# Altium PCB Array.PcbDoc
Units mm, origin at the board's own origin, x right, y up, seen from the top; angles counter-clockwise.
Board outline 67 x 89 mm, 2 copper layers (Top Layer, Bottom Layer); 82 components, 81 nets, 314 pads, 516 vias.
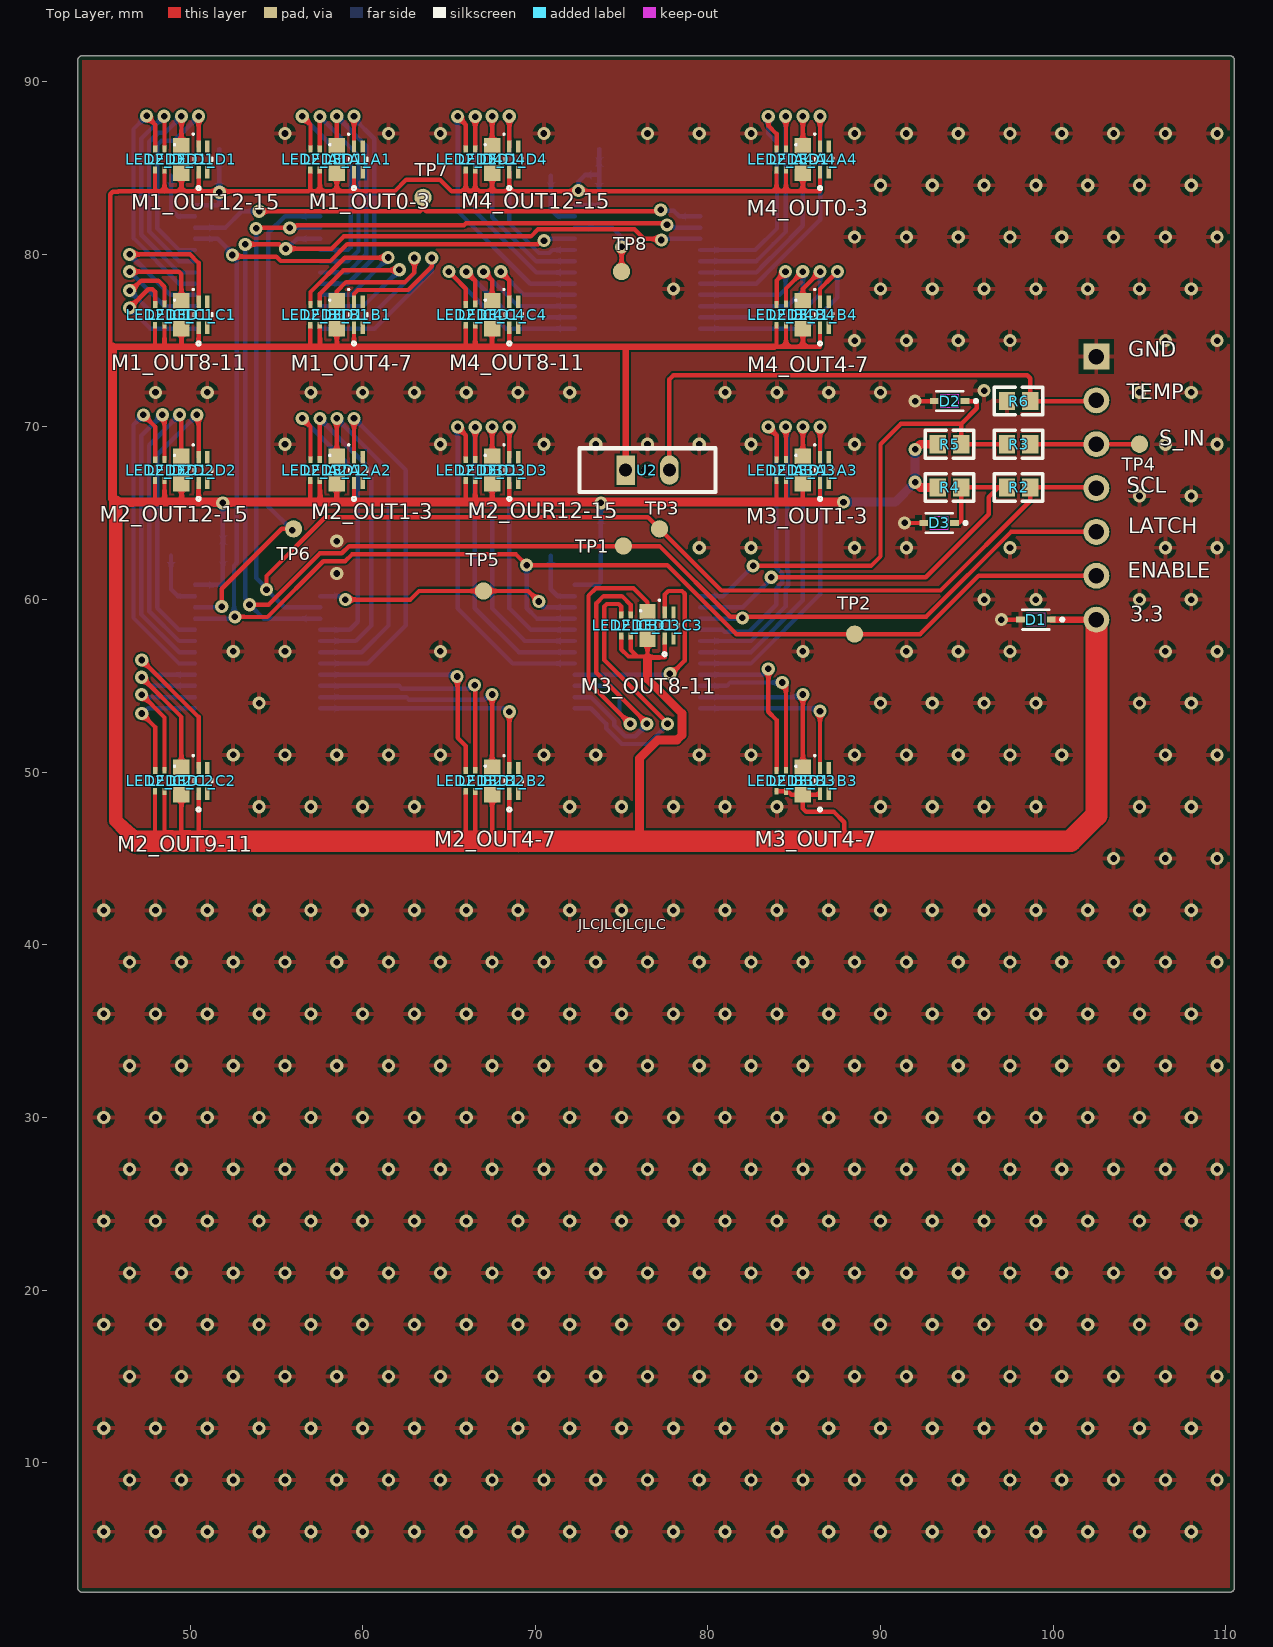
[diagram p0: Top Layer view]
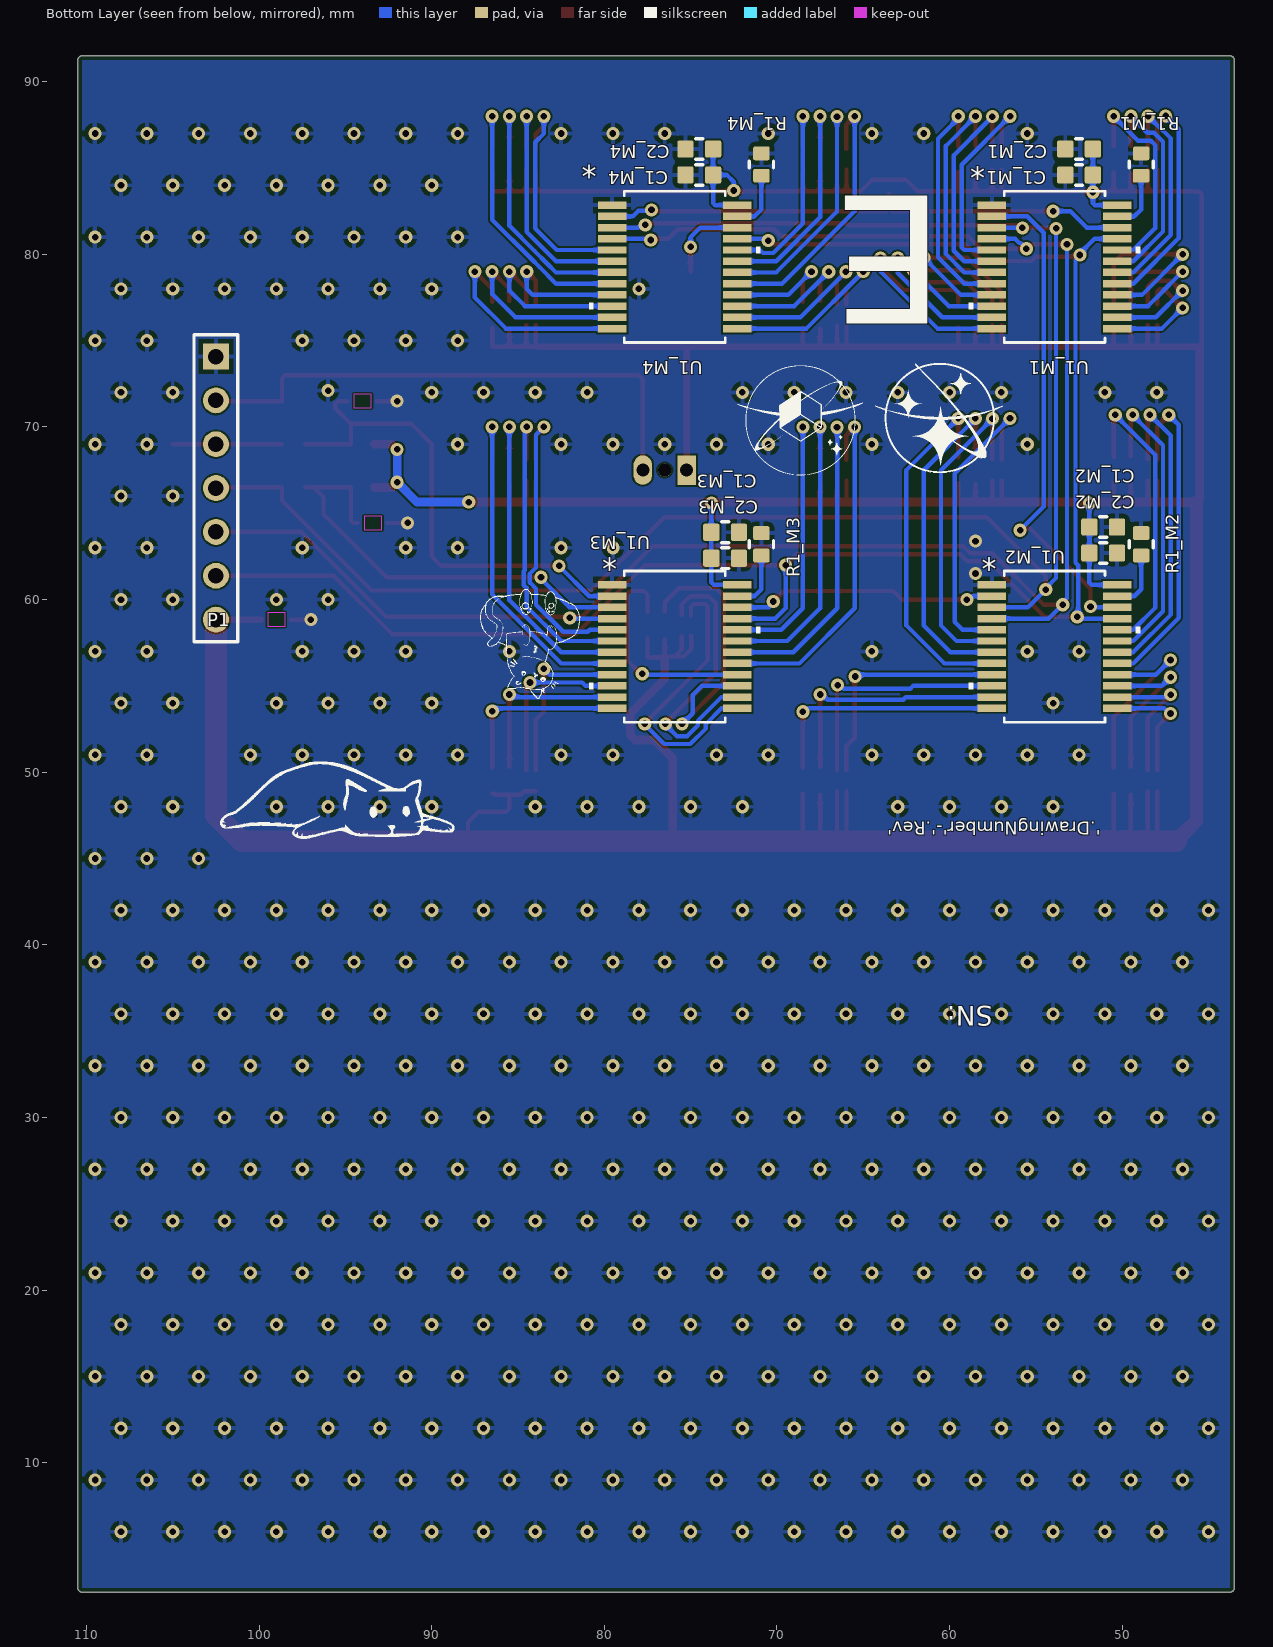
[diagram p1: Bottom Layer view, seen from below]
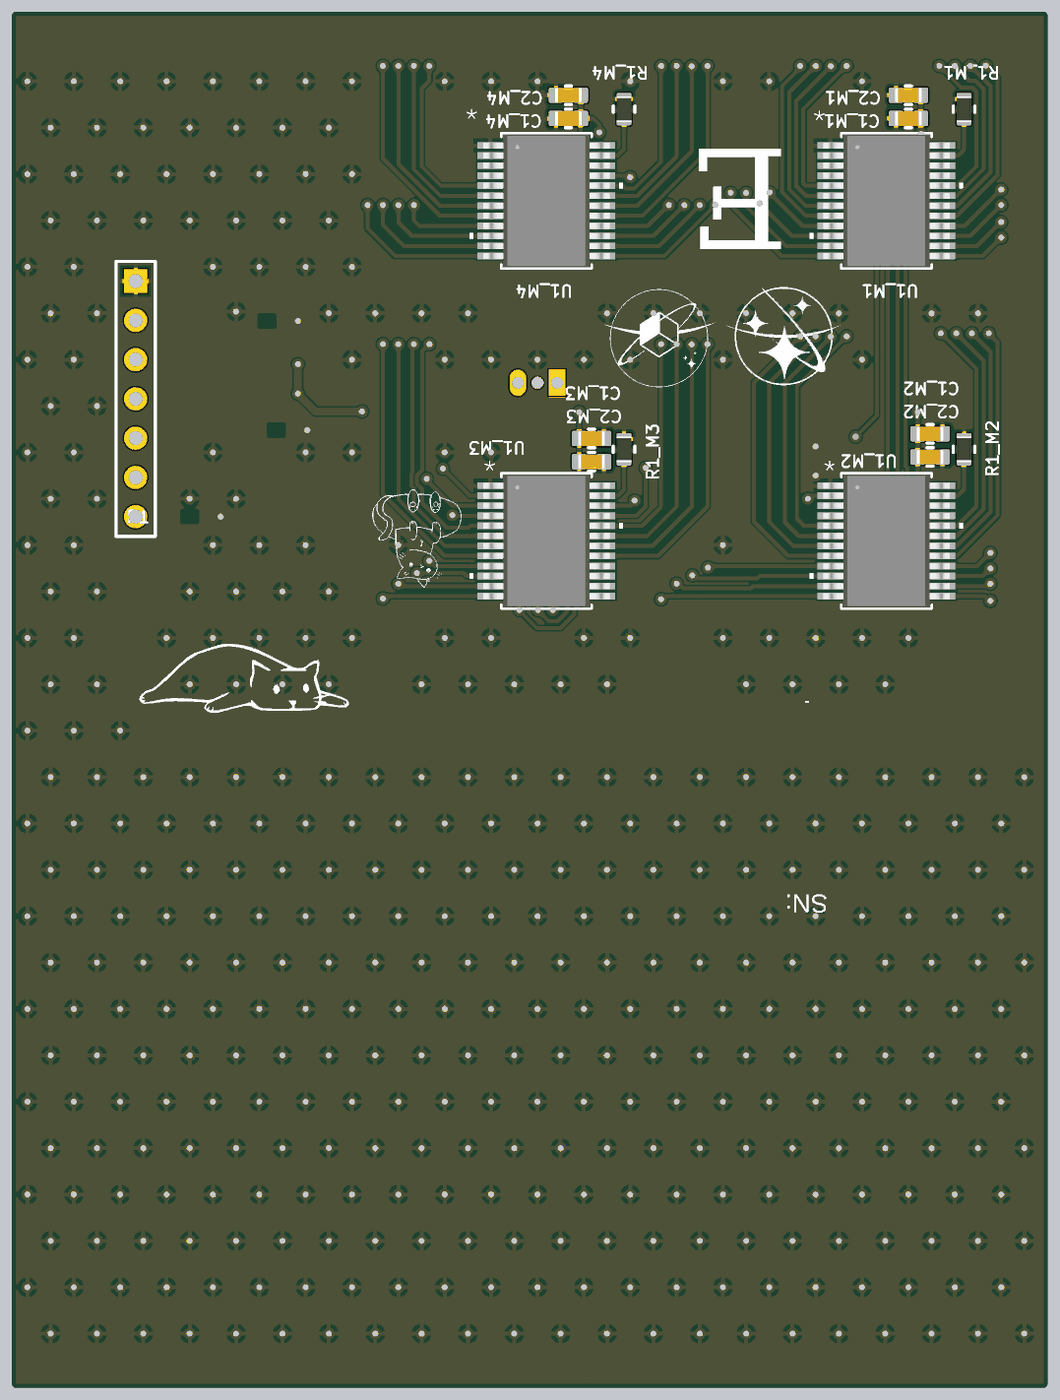
[diagram p2: 3D render of the assembled board from below, using the file's embedded part models]

## Layer stack, top to bottom
Top Solder: solder mask 0.0102, Solder Resist, Dk 3.5
Top Layer: signal copper 0.0356
Dielectric 1: dielectric 0.32, FR-4, Dk 4.8
Bottom Layer: signal copper 0.0356
Bottom Solder: solder mask 0.0102, Solder Resist, Dk 3.5

## Board outline
43.5,2.754 43.5,91.246 cw(c43.754,91.246) 43.754,91.5 110.246,91.5 cw(c110.246,91.246) 110.5,91.246 110.5,2.754 cw(c110.246,2.754) 110.246,2.5 43.754,2.5 cw(c43.754,2.754)

## Design rules (kind name [scope] priority, off if disabled: settings)
BoardOutlineClearance [All] p1: gap=0.254 ignorepadtopadclearanceinfootprint=FALSE except(0: Arc-SplitContinuation Track-SplitContinuation SMDPad-SplitContinuation THPad-SplitContinuation Via-SplitContinuation Fill-SplitContinuation Poly-SplitContinuation Region-SplitContinuation Text-SplitContinuation)
Clearance "Stitching GND" [IsStitchingVia and InNet('GND') vs (IsVia and (Not IsStitchingVia)) Or IsPad] p1: gap=0.3 ignorepadtopadclearanceinfootprint=FALSE
Clearance [All] p2: gap=0.1 ignorepadtopadclearanceinfootprint=TRUE
FabricationTestpoint [All] p1: side=3 testpointundercomponent=TRUE minsize=1.016 maxsize=2.54 preferedsize=1.524 minholesize=0 maxholesize=1.016 preferedholesize=0.813 testpointgrid=0.025 allowsidetop=TRUE allowsidebottom=TRUE usegrid=TRUE gridtolerance=0 compbodyclearance=0.152 boardedgeclearance=0.254
PolygonConnect [All] p1: connectstyle=Relief reliefconductorwidth=0.254 reliefentries=4 polygonreliefangle="90 Angle" airgapwidth=0.254
RoomDefinition C2 [InComponentClass('C2')] p1: confinementstyle=ConfineIn formatcopy=TRUE lockcomponents=FALSE outline 47,47 52,47 52,52 47,52
RoomDefinition D2 [InComponentClass('D2')] p2: confinementstyle=ConfineIn formatcopy=TRUE lockcomponents=FALSE outline 47,65 52,65 52,70 47,70
RoomDefinition A2 [InComponentClass('A2')] p3: confinementstyle=ConfineIn formatcopy=TRUE lockcomponents=FALSE outline 56,65 61,65 61,70 56,70
RoomDefinition C1 [InComponentClass('C1')] p4: confinementstyle=ConfineIn formatcopy=TRUE lockcomponents=FALSE outline 47,74 52,74 52,79 47,79
RoomDefinition D1 [InComponentClass('D1')] p5: confinementstyle=ConfineIn formatcopy=TRUE lockcomponents=FALSE outline 47,83 52,83 52,88 47,88
RoomDefinition B1 [InComponentClass('B1')] p6: confinementstyle=ConfineIn formatcopy=TRUE lockcomponents=FALSE outline 56,74 61,74 61,79 56,79
RoomDefinition A1 [InComponentClass('A1')] p7: confinementstyle=ConfineIn formatcopy=TRUE lockcomponents=FALSE outline 56,83 61,83 61,88 56,88
RoomDefinition D4 [InComponentClass('D4')] p8: confinementstyle=ConfineIn formatcopy=TRUE lockcomponents=FALSE outline 65,83 70,83 70,88 65,88
RoomDefinition A4 [InComponentClass('A4')] p9: confinementstyle=ConfineIn formatcopy=TRUE lockcomponents=FALSE outline 83,83 88,83 88,88 83,88
RoomDefinition B2 [InComponentClass('B2')] p10: confinementstyle=ConfineIn formatcopy=TRUE lockcomponents=FALSE outline 65,47 70,47 70,52 65,52
RoomDefinition C3 [InComponentClass('C3')] p11: confinementstyle=ConfineIn formatcopy=TRUE lockcomponents=FALSE outline 74,56 79,56 79,61 74,61
RoomDefinition B3 [InComponentClass('B3')] p12: confinementstyle=ConfineIn formatcopy=TRUE lockcomponents=FALSE outline 83,47 88,47 88,52 83,52
RoomDefinition D3 [InComponentClass('D3')] p13: confinementstyle=ConfineIn formatcopy=TRUE lockcomponents=FALSE outline 65,65 70,65 70,70 65,70
RoomDefinition C4 [InComponentClass('C4')] p14: confinementstyle=ConfineIn formatcopy=TRUE lockcomponents=FALSE outline 65,74 70,74 70,79 65,79
RoomDefinition A3 [InComponentClass('A3')] p15: confinementstyle=ConfineIn formatcopy=TRUE lockcomponents=FALSE outline 83,65 88,65 88,70 83,70
RoomDefinition B4 [InComponentClass('B4')] p16: confinementstyle=ConfineIn formatcopy=TRUE lockcomponents=FALSE outline 83,74 88,74 88,79 83,79
RoomDefinition M1 [InComponentClass('M1')] p17: confinementstyle=ConfineIn formatcopy=TRUE lockcomponents=FALSE outline 60,74 48,74 48,88 60,88
RoomDefinition M2 [InComponentClass('M2')] p18: confinementstyle=ConfineIn formatcopy=TRUE lockcomponents=FALSE outline 60,52 48,52 48,66 60,66
RoomDefinition M3 [InComponentClass('M3')] p19: confinementstyle=ConfineIn formatcopy=TRUE lockcomponents=FALSE outline 82,52 70,52 70,66 82,66
RoomDefinition M4 [InComponentClass('M4')] p20: confinementstyle=ConfineIn formatcopy=TRUE lockcomponents=FALSE outline 82,74 70,74 70,88 82,88
RoutingVias [All] p1: holewidth=0.381 width=0.762 viastyle="Through Hole" minholewidth=0.152 minwidth=0.406 maxholewidth=2.54 maxwidth=1.27
SMDEntry [All] p1: side=TRUE corner=TRUE anyangle=FALSE
SMDToCorner [All] p1: distance=0
SolderMaskExpansion [All] p1: expansion=0.102 istentingtop=FALSE
UnRoutedNet [All] p1: checkbadconnections=TRUE
Width [All] p1: maxlimit=2.54 minlimit=0.152 preferedwidth=0.254
28 further rules are at their usual default settings.

## Classes and differential pairs
component class tEMPY_BOI: R6 U2
channel class Main: M1 M2 M3 M4
channel class LEDBlock: A1 A2 A3 A4 B1 B2 B3 B4 C1 C2 C3 C4 D1 D2 D3 D4
channel class LED: D11 D12 D13 D14
component class M4: C1_M4 C2_M4 R1_M4 U1_M4
component class M3: C1_M3 C2_M3 R1_M3 U1_M3
component class M2: C1_M2 C2_M2 R1_M2 U1_M2
component class M1: C1_M1 C2_M1 R1_M1 U1_M1
component class Interface: D1 D2 D3 P1 R2 R3 R4 R5 TP1 TP2 TP3 TP4 TP5 TP6 TP7 TP8
component class D4: LED1_D4 LED2_D4 LED3_D4
component class D3: LED1_D3 LED2_D3 LED3_D3
component class D2: LED1_D2 LED2_D2 LED3_D2
component class D1: LED1_D1 LED2_D1 LED3_D1
component class C4: LED1_C4 LED2_C4 LED3_C4
component class C3: LED1_C3 LED2_C3 LED3_C3
component class C2: LED1_C2 LED2_C2 LED3_C2
component class C1: LED1_C1 LED2_C1 LED3_C1
component class B4: LED1_B4 LED2_B4 LED3_B4
component class B3: LED1_B3 LED2_B3 LED3_B3
component class B2: LED1_B2 LED2_B2 LED3_B2
component class B1: LED1_B1 LED2_B1 LED3_B1
component class A4: LED1_A4 LED2_A4 LED3_A4
component class A3: LED1_A3 LED2_A3 LED3_A3
component class A2: LED1_A2 LED2_A2 LED3_A2
component class A1: LED1_A1 LED2_A1 LED3_A1

## Components (designator, comment, footprint, x,y, rotation, side; value= is the part's Value field where it differs from the comment)
C1_M1 "Capacitor" C0603B 52.5,84.6 r0 bottom value=1u (schematic designator C1)
C1_M2 "Capacitor" C0603B 51.1,64.2 r180 bottom value=1u (schematic designator C1)
C1_M3 "Capacitor" C0603B 73,63.9 r180 bottom value=1u (schematic designator C1)
C1_M4 "Capacitor" C0603B 74.5,84.6 r0 bottom value=1u (schematic designator C1)
C2_M1 "Capacitor" C0603B 52.5,86.1 r0 bottom value=0.1u (schematic designator C2)
C2_M2 "Capacitor" C0603B 51.1,62.7 r180 bottom value=0.1u (schematic designator C2)
C2_M3 "Capacitor" C0603B 73,62.4 r180 bottom value=0.1u (schematic designator C2)
C2_M4 "Capacitor" C0603B 74.5,86.1 r0 bottom value=0.1u (schematic designator C2)
D1 "STS521033B950" STS521033B950_COB 99,58.84 r180 top
D2 "STS521033B950" STS521033B950_COB 94,71.5 r180 top
D3 "STS521033B950" STS521033B950_COB 93.396,64.44 r180 top
LED1_A1 "APHB1608CGKSEKC" APHB1608CGKSEKC_KNB 59.75,85.5 r90 top locked (schematic designator LED1)
LED1_A2 "APHB1608CGKSEKC" APHB1608CGKSEKC_KNB 59.75,67.5 r90 top locked (schematic designator LED1)
LED1_A3 "APHB1608CGKSEKC" APHB1608CGKSEKC_KNB 86.75,67.5 r90 top locked (schematic designator LED1)
LED1_A4 "APHB1608CGKSEKC" APHB1608CGKSEKC_KNB 86.75,85.5 r90 top locked (schematic designator LED1)
LED1_B1 "APHB1608CGKSEKC" APHB1608CGKSEKC_KNB 59.75,76.5 r90 top locked (schematic designator LED1)
LED1_B2 "APHB1608CGKSEKC" APHB1608CGKSEKC_KNB 68.75,49.5 r90 top locked (schematic designator LED1)
LED1_B3 "APHB1608CGKSEKC" APHB1608CGKSEKC_KNB 86.75,49.5 r90 top locked (schematic designator LED1)
LED1_B4 "APHB1608CGKSEKC" APHB1608CGKSEKC_KNB 86.75,76.5 r90 top locked (schematic designator LED1)
LED1_C1 "APHB1608CGKSEKC" APHB1608CGKSEKC_KNB 50.75,76.5 r90 top locked (schematic designator LED1)
LED1_C2 "APHB1608CGKSEKC" APHB1608CGKSEKC_KNB 50.75,49.5 r90 top locked (schematic designator LED1)
LED1_C3 "APHB1608CGKSEKC" APHB1608CGKSEKC_KNB 77.75,58.5 r90 top locked (schematic designator LED1)
LED1_C4 "APHB1608CGKSEKC" APHB1608CGKSEKC_KNB 68.75,76.5 r90 top locked (schematic designator LED1)
LED1_D1 "APHB1608CGKSEKC" APHB1608CGKSEKC_KNB 50.75,85.5 r90 top locked (schematic designator LED1)
LED1_D2 "APHB1608CGKSEKC" APHB1608CGKSEKC_KNB 50.75,67.5 r90 top locked (schematic designator LED1)
LED1_D3 "APHB1608CGKSEKC" APHB1608CGKSEKC_KNB 68.75,67.5 r90 top locked (schematic designator LED1)
LED1_D4 "APHB1608CGKSEKC" APHB1608CGKSEKC_KNB 68.75,85.5 r90 top locked (schematic designator LED1)
LED2_A1 "QBLP601-RIB" DFN65P160X55-4N 57.25,85.5 r270 top locked (schematic designator LED2)
LED2_A2 "QBLP601-RIB" DFN65P160X55-4N 57.25,67.5 r270 top locked (schematic designator LED2)
LED2_A3 "QBLP601-RIB" DFN65P160X55-4N 84.25,67.5 r270 top locked (schematic designator LED2)
LED2_A4 "QBLP601-RIB" DFN65P160X55-4N 84.25,85.5 r270 top locked (schematic designator LED2)
LED2_B1 "QBLP601-RIB" DFN65P160X55-4N 57.25,76.5 r270 top locked (schematic designator LED2)
LED2_B2 "QBLP601-RIB" DFN65P160X55-4N 66.25,49.5 r270 top locked (schematic designator LED2)
LED2_B3 "QBLP601-RIB" DFN65P160X55-4N 84.25,49.5 r270 top locked (schematic designator LED2)
LED2_B4 "QBLP601-RIB" DFN65P160X55-4N 84.25,76.5 r270 top locked (schematic designator LED2)
LED2_C1 "QBLP601-RIB" DFN65P160X55-4N 48.25,76.5 r270 top locked (schematic designator LED2)
LED2_C2 "QBLP601-RIB" DFN65P160X55-4N 48.25,49.5 r270 top locked (schematic designator LED2)
LED2_C3 "QBLP601-RIB" DFN65P160X55-4N 75.25,58.5 r270 top locked (schematic designator LED2)
LED2_C4 "QBLP601-RIB" DFN65P160X55-4N 66.25,76.5 r270 top locked (schematic designator LED2)
LED2_D1 "QBLP601-RIB" DFN65P160X55-4N 48.25,85.5 r270 top locked (schematic designator LED2)
LED2_D2 "QBLP601-RIB" DFN65P160X55-4N 48.25,67.5 r270 top locked (schematic designator LED2)
LED2_D3 "QBLP601-RIB" DFN65P160X55-4N 66.25,67.5 r270 top locked (schematic designator LED2)
LED2_D4 "QBLP601-RIB" DFN65P160X55-4N 66.25,85.5 r270 top locked (schematic designator LED2)
LED3_A1 "B18W1IRP-A1C0001X4U1930" CAPCP1608X10N 58.5,85.5 r270 top locked (schematic designator LED3)
LED3_A2 "B18W1IRP-A1C0001X4U1930" CAPCP1608X10N 58.5,67.5 r270 top locked (schematic designator LED3)
LED3_A3 "B18W1IRP-A1C0001X4U1930" CAPCP1608X10N 85.5,67.5 r270 top locked (schematic designator LED3)
LED3_A4 "B18W1IRP-A1C0001X4U1930" CAPCP1608X10N 85.5,85.5 r270 top locked (schematic designator LED3)
LED3_B1 "B18W1IRP-A1C0001X4U1930" CAPCP1608X10N 58.5,76.5 r270 top locked (schematic designator LED3)
LED3_B2 "B18W1IRP-A1C0001X4U1930" CAPCP1608X10N 67.5,49.5 r270 top locked (schematic designator LED3)
LED3_B3 "B18W1IRP-A1C0001X4U1930" CAPCP1608X10N 85.5,49.5 r270 top locked (schematic designator LED3)
LED3_B4 "B18W1IRP-A1C0001X4U1930" CAPCP1608X10N 85.5,76.5 r270 top locked (schematic designator LED3)
LED3_C1 "B18W1IRP-A1C0001X4U1930" CAPCP1608X10N 49.5,76.5 r270 top locked (schematic designator LED3)
LED3_C2 "B18W1IRP-A1C0001X4U1930" CAPCP1608X10N 49.5,49.5 r270 top locked (schematic designator LED3)
LED3_C3 "B18W1IRP-A1C0001X4U1930" CAPCP1608X10N 76.5,58.5 r270 top locked (schematic designator LED3)
LED3_C4 "B18W1IRP-A1C0001X4U1930" CAPCP1608X10N 67.5,76.5 r270 top locked (schematic designator LED3)
LED3_D1 "B18W1IRP-A1C0001X4U1930" CAPCP1608X10N 49.5,85.5 r270 top locked (schematic designator LED3)
LED3_D2 "B18W1IRP-A1C0001X4U1930" CAPCP1608X10N 49.5,67.5 r270 top locked (schematic designator LED3)
LED3_D3 "B18W1IRP-A1C0001X4U1930" CAPCP1608X10N 67.5,67.5 r270 top locked (schematic designator LED3)
LED3_D4 "B18W1IRP-A1C0001X4U1930" CAPCP1608X10N 67.5,85.5 r270 top locked (schematic designator LED3)
P1 "Header 7" HDR1X7 102.5,74.08 r270 bottom
R1_M1 "Resistor" R0603B 48.9,85.2 r90 bottom value=2k (schematic designator R1)
R1_M2 "Resistor" R0603B 48.9,63.2 r90 bottom value=2k (schematic designator R1)
R1_M3 "Resistor" R0603B 70.9,63.2 r90 bottom value=2k (schematic designator R1)
R1_M4 "Resistor" R0603B 70.9,85.2 r90 bottom value=2k (schematic designator R1)
R2 "Resistor" R0603A 98,66.5 r0 top value=22
R3 "Resistor" R0603A 98,69 r0 top value=22
R4 "Resistor" R0603A 94,66.5 r0 top value=10k
R5 "Resistor" R0603A 94,69 r0 top value=10k
R6 "Resistor" R0603A 98,71.5 r0 top value=6.81K
TP1 "Test Point" TP-SMT-1mm 75.1,63.1 r270 top
TP2 "Test Point" TP-SMT-1mm 88.5,58 r270 top
TP3 "Test Point" TP-SMT-1mm 77.2,64.1 r270 top
TP4 "Test Point" TP-SMT-1mm 105,69 r180 top
TP5 "Test Point" TP-SMT-1mm 67,60.5 r0 top
TP6 "Test Point" TP-SMT-1mm 56,64.1 r0 top
TP7 "Test Point" TP-SMT-1mm 63.5,83.3 r0 top
TP8 "Test Point" TP-SMT-1mm 75,79 r270 top
U1_M1 "IS31FL3726A-SALS4-TR" SSOP-24_LMS 53.92,79.275 r180 bottom (schematic designator U1)
U1_M2 "IS31FL3726A-SALS4-TR" SSOP-24_LMS 53.92,57.275 r180 bottom (schematic designator U1)
U1_M3 "IS31FL3726A-SALS4-TR" SSOP-24_LMS 75.92,57.275 r180 bottom locked (schematic designator U1)
U1_M4 "IS31FL3726A-SALS4-TR" SSOP-24_LMS 75.92,79.275 r180 bottom (schematic designator U1)
U2 "LMT01QLPGQ1" LMT01-Q1 75.23,67.5 r90 top

## Footprints (in the part's own frame and the unit in brackets; to place one, negate y for a bottom-side part, rotate by r counter-clockwise, add the part's x,y. Pads: shape width x height; smd on the part's side, far side on the other; paste and mask are expansions set on the pad)
APHB1608CGKSEKC_KNB [mil]
  rect 28x10 smd paste+0 mask+0: 1(-29.5,10) 2(29.5,10) 3(-29.5,-10) 4(29.5,-10)
  silkscreen extent -69,-20 4,21, body extent -31,-16 31,16, height 32
C0603B [mm] "Chip Capacitor, 0603, 2-Leads, Body 1.60x0.80mm, IPC Medium Density"
  rrect25% 0.95x1 smd: 1(-0.8,0) 2(0.8,0)
  silkscreen extent -0.2,-0.6 0.2,0.6, body extent -0.87,-0.48 0.87,0.48, height 0.87
CAPCP1608X10N [mm] "Chip Capacitor, 2-Leads, Body 1.60x0.80mm, IPC Medium Density"
  rect 0.9x0.95 smd: 1(-0.8,0) 2(0.8,0)
  silkscreen extent -1.51,0.64 -1.41,0.74, body extent -0.85,-0.45 0.85,0.45, height 0.95
DFN65P160X55-4N [mm] "DFN, 4-Leads, Body 0.80x1.60mm, Pitch 0.65mm, IPC Medium Density"
  rect 0.4x0.25 smd: 1(0.608,0.272) 2(0.605,-0.277) 3(-0.612,0.272) 4(-0.6,-0.272)
  silkscreen extent -0.9,0.8 -0.8,0.9, body extent -0.85,-0.45 0.85,0.45, height 0.55
HDR1X7 [mm] "Connector; Header; 7 Position"
  rect 1.5x1.5 hole 0.9: 1(0,0)
  round 1.5 hole 0.9: 2(2.54,0) 3(5.08,0) 4(7.62,0) 5(10.16,0) 6(12.7,0) 7(15.24,0)
  silkscreen extent -1.27,-1.27 16.51,1.27
LMT01-Q1 [mm] "Accurate 2-Pin Digital Output Temperature Sensor With Pulse Count  Interface"
  rect 1.7x1.07 hole 0.76: 1(0,0)
  round 0.76 hole 0.76: 2(0,-1.27)
  oval 1.7x1.07 hole 0.76: 3(0,-2.54)
  silkscreen extent -1.27,-5.21 1.27,2.67
R0603A [mm] "Chip Resistor, 2-Leads, Body 1.55x0.80mm, IPC Low Density"
  rect 0.95x1.05 smd: 1(-0.675,0) 2(0.675,0)
  silkscreen extent -1.4,-0.8 1.4,0.8, body extent -0.85,-0.48 0.85,0.48, height 0.55
R0603B [mm] "Chip Resistor, 0603, 2-Leads, Body 1.58x0.85mm, IPC Medium Density"
  rrect25% 0.8x0.95 smd: 1(-0.65,0) 2(0.65,0)
  silkscreen extent -0.2,-0.7 0.2,0.7, body extent -0.82,-0.48 0.82,0.48, height 0.5
SSOP-24_LMS [mil]
  rect 65x17 smd paste+0 mask+0: 1(-143,140.75) 2(-143,115.16) 3(-143,89.57) 4(-143,63.98) 5(-143,38.39) 6(-143,12.8) 7(-143,-12.79) 8(-143,-38.38) 9(-143,-63.98) 10(-143,-89.57) 11(-143,-115.16) 12(-143,-140.75) 13(143,-140.75) 14(143,-115.16) 15(143,-89.57) 16(143,-63.98) 17(143,-38.38) 18(143,-12.79) 19(143,12.8) 20(143,38.39) 21(143,63.98) 22(143,89.57) 23(143,115.16) 24(143,140.75)
  silkscreen extent -196,-173 196,172, body extent -161,-167 161,167, height 79
STS521033B950_COB [mil]
  rect 20x14 smd paste+0 mask+0: 1(-35,0) 2(35,0)
  Top Layer keep-out region: -20,-15.5 -20,15.5 20,15.5 20,-15.5
  Keep-Out Layer region: -20,-15.5 -20,15.5 20,15.5 20,-15.5
  silkscreen extent -62,-23 31,23, body extent -33,-17 33,17, height 28
TP-SMT-1mm [mm] "1mm diameter test point pad"
  round 1 smd: 1(0,0)
